# Allegro board RK3588S_Template_LP4XD556P164SD10H2_33X33_2133MHz_H1R0_V10_20220315YWQ.brd (continued)
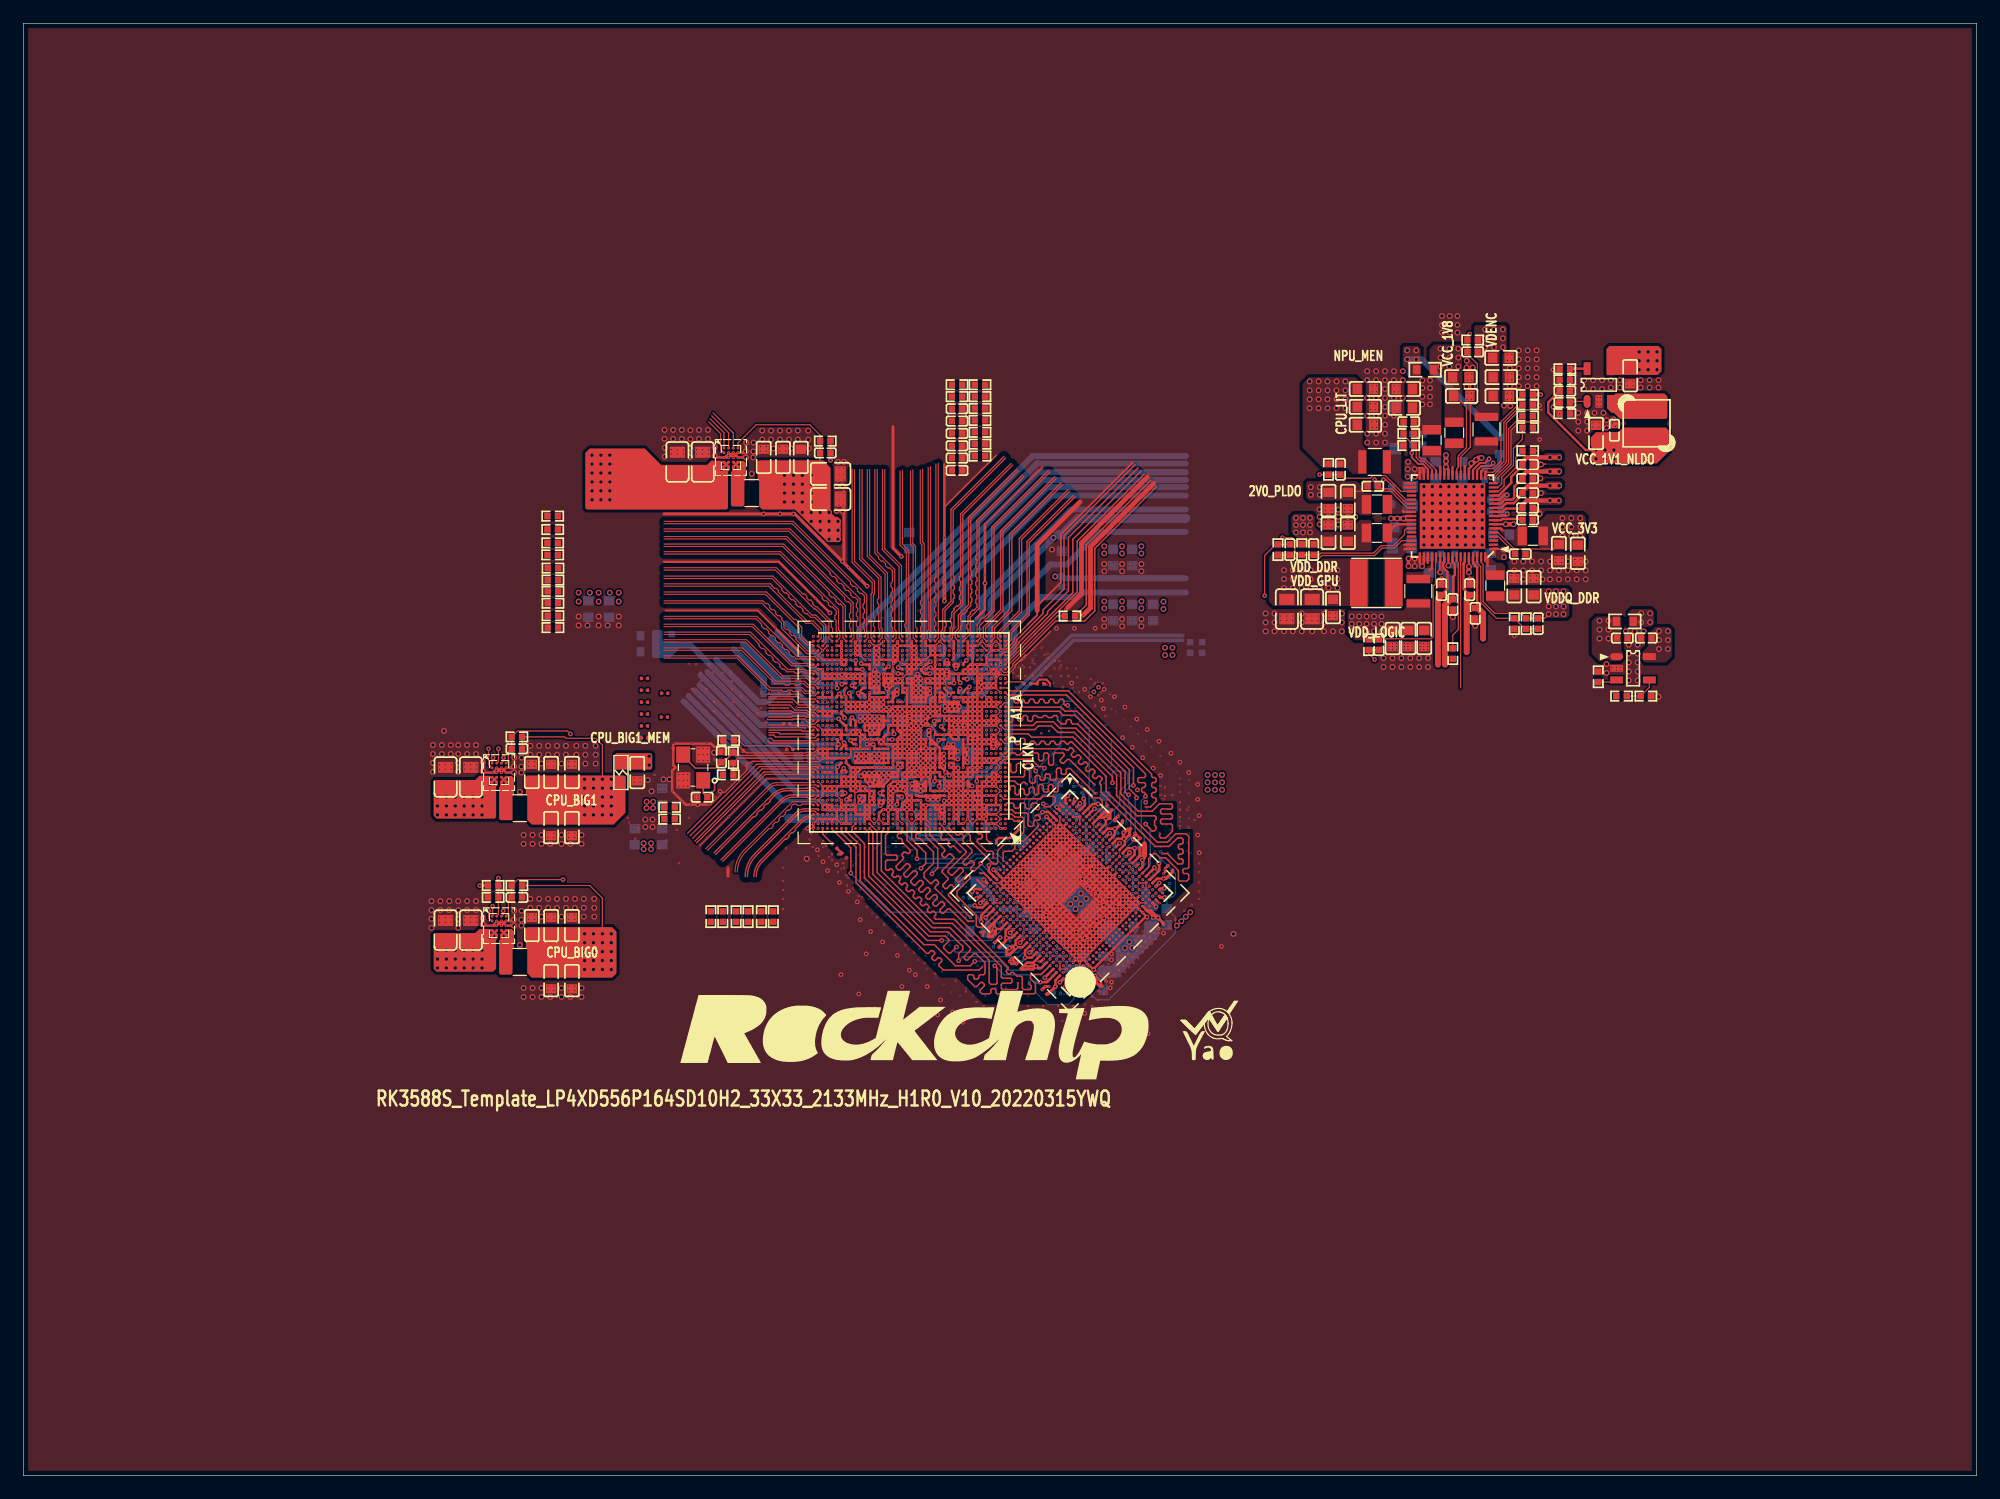
[diagram p0: board, top side]
## Routing (per net, layer and track width the routed paths; a pad name or vN(x,y) marks a point on that pad's centre or on a via; arc(x,y) is an arc through that point) (continued)
VCC1V8_PMU_DDR_S3: length 125.7
  TOP w0.203: U3700.AH1 81.72,50.12 81.27,50.12 v4(81.06,49.91) ; v4(97,52.31) 97.05,52.27 97.05,51.71 96.25,50.92 U3700.A25 ; U3700.AJ5 82.62,48.65 81.83,47.87 v4(81.83,47.34) ; U3700.AJ25 88.28,42.99 87.45,42.16 v4(86.88,42.16) ; v4(91.83,57.38) 91.35,57.38 90.96,57 90.96,56.99 U3700.A5 ; U1000.N37 69.49,60.48 v4(69.57,60.55) 69.89,60.87 U1000.R36 ; U1000.Y37 69.58,62.82 69.58,62.55 v4(69.64,62.48) 69.49,62.33 U1000.V37 ; U1000.V36 69.89,62.17 70.08,62.36 70.08,62.37 70.1,62.4 70.1,62.6 v4(70.12,62.62) 70.12,62.57 70.29,62.4 U1000.V35 ; v4(89.23,58.08) 89.03,57.87 89.03,57.52 U3700.B1
  TOP w0.254: U3700.AH29 89.8,42.04 v4(89.8,41.68) ; v4(97.49,49.39) 97.15,49.39 U3700.B29
  L3-S1 w0.127: v1(87.15,44.69) 86.92,44.46 v2(86.91,44.46) ; v2(94.73,52.28) 94.73,52.28 v1(94.5,52.05)
  L3-S1 w0.152: v1(91.67,54.9) 92.12,55.35 v2(92.13,55.35) ; v1(84.32,47.52) 84.3,47.52 83.85,47.07 v2(83.85,47.07) ; v1(86.01,45.82) 85.7,45.82 85.6,45.93 v2(85.58,45.93) 85.58,45.95 85.45,46.08 v1(85.45,46.39) ; v1(93.34,53.18) 93.34,53.52 93.27,53.59 v2(93.27,53.64) 93.22,53.64 93.11,53.74 v1(92.83,53.74)
  L6-S2 w0.254: 91.96,56.66 91.17,55.86 91.17,55.2 91.43,54.94 91.81,54.94 92.13,55.25 v2(92.13,55.35)
  L6-S2 w0.305: 94.62,54.35 93.85,53.58 93.32,53.58 v2(93.27,53.64) ; v2(85.58,45.93) 85.67,45.83 85.67,45.4 84.84,44.57 84.7,44.57 84.4,44.27 ; v4(91.83,57.38) 91.96,57.25 91.96,56.66
  L6-S2 w0.406: 93.24,57.38 v4(91.83,57.38) 90.67,58.55 89.7,58.55 v4(89.23,58.08) ; 97,53.62 v4(97,52.31) 96.87,52.45 96.39,52.45 96.03,52.08 94.93,52.08 v2(94.73,52.28) ; v4(81.83,47.34) 81.44,47.34 80.64,48.13 80.64,49.49 v4(81.06,49.91) ; 95.26,54.99 94.62,54.35 ; v2(86.91,44.46) 87.03,44.34 87.03,43.03 86.76,42.75 85.05,42.75 84.84,42.55
  L8-S3 w0.203: 93.24,53.77 93.24,53.67 v2(93.27,53.64) ; 93.24,53.77 v3(93.04,53.98) ; 93.24,53.77 93.24,53.97 v3(93.24,53.98) ; v2(85.58,45.93) 85.55,45.95 ; 85.55,45.95 85.35,46.15 v3(85.22,46.15) ; 85.55,45.95 85.22,45.95 v3(85.22,45.95) ; v3(69.77,62.99) 69.75,63.01 69.75,63.18 69,63.93
  L8-S3 w0.254: v3(92.07,54.99) 92.07,55.3 v2(92.13,55.35) ; v2(83.85,47.07) 83.9,47.12 v3(84.25,47.12) ; v3(86.96,44.77) 86.96,44.67 86.91,44.62 v2(86.91,44.46) 86.8,44.35 v3(86.61,44.35) ; v3(94.4,52.21) 94.45,52.21 94.52,52.28 v2(94.73,52.28)
  L8-S3 w0.305: v4(70.12,62.62) 70.12,62.69 69.82,62.99 v3(69.77,62.99)
  L8-S3 w0.508: 69,63.93 62.05,63.93 55.88,70.11
  L9-GND3 w0.102: v3(93.24,53.98) v3(93.04,53.98)
  BOTTOM w0.102: C3778.1 86.49,41.27 87.5,40.26 89.28,40.26 89.74,40.72 C3779.1 90.52,41.2 C3777.1 91.73,40.64 92.71,40.64 98.42,46.36 98.42,47.71 C3734.1 97.69,49.24 97.9,49.45 C3740.1 98.22,49.45 98.42,49.66 98.42,51.48 C3739.1
  BOTTOM w0.152: v3(93.04,53.98) 93.04,53.87 C3738.1 93.24,53.68 v3(93.24,53.98) ; v3(86.61,44.35) 86.61,44.43 C3780.1
  BOTTOM w0.203: 69.57,60.7 69.57,60.73 ; v3(85.22,46.15) 85.37,46.15 C3781.1 85.46,45.95 v3(85.22,45.95) ; v3(69.77,62.99) 70.1,62.66 70.1,62.64 v4(70.12,62.62) ; v3(86.96,44.77) C3780.1 ; v3(94.4,52.21) 94.56,52.37 C3737.1
  BOTTOM w0.254: C3735.1 91.5,57.69 91.81,57.38 v4(91.83,57.38) ; C3778.1 86.85,42.14 v4(86.88,42.16) ; v4(97,52.31) 97.15,52.46 C3739.1 ; v4(81.83,47.34) 81.83,47.36 81.49,47.71 C3782.1 ; C3779.1 89.74,41.62 v4(89.8,41.68) ; v4(89.23,58.08) 89.49,58.34 C3736.1 ; v4(97.49,49.39) 97.55,49.45 C3740.1
  BOTTOM w0.279: C1101.1 69.57,60.7 v4(69.57,60.55) 69.47,60.45 69.3,60.45
  BOTTOM w0.356: C1106.1 v4(69.64,62.48)
  BOTTOM w0.406: C3784.1 80.92,49.46 80.92,49.77 v4(81.06,49.91)
  BOTTOM w0.457: C1106.1 63.76,62.48
  BOTTOM w0.508: 63.76,62.48 65.79,60.45 69.3,60.45 69.57,60.73 ; 63.76,62.48 57.85,68.39 ; 63.76,62.48 63.76,62.48 ; R2210.1 119.47,95.38 v5(119,95.38) v5(118.24,95.38)
  vias: v5(98.55,46.99) v5(98.93,47.37) v5(99.31,47.75) v5(99.69,48.13) v5(118.24,96.14) v5(119,96.14)
VCC_1V1_NLDO_S3: length 13.5
  TOP w0.203: v4(126.78,82.17) 126.75,82.17 126.62,82.05 126.24,82.05 126.18,81.99 U2200.9 ; v4(126.75,83.79) 126.52,83.79 126.12,83.39 U2200.13 ; R2306.1 C2326.1 130.28,91.7 130.28,90.83 133.48,87.63 v5(134.37,87.63)
  BOTTOM w0.508: v4(126.78,82.17) 126.43,82.17 C2264.1 C2257.1 126.63,83.79 v4(126.75,83.79)
  vias: v5(134.37,86.87) v5(135.13,87.63) v5(135.13,86.87) v5(135.89,87.63) v5(135.89,86.87)
VCC_1V8_S0: length 42.8
  TOP w0.203: v4(70.56,66.85) 70.69,66.72 U1000.AJ34 ; C2246.1 122.17,74.94 122.17,76.83 122.3,76.96 122.3,77.85 122.11,78.04 122.11,78.04 122.1,78.05 U2200.60 ; v4(80.01,67.23) 79.89,67.12 U1000.AK11 ; U1000.H31 U1000.G31 71.82,57.7 71.63,57.51 v4(71.48,57.51) 71.42,57.56 v4(71.42,58.01) 71.51,58.1 U1000.H31 ; U1000.G28 73.09,57.36 v4(73.2,57.25) 73.29,57.25 73.49,57.45 U1000.G27 U1000.G28
  TOP w0.508: C2246.1 121.97,74.89 121.46,74.38 121.46,69.29
  L8-S3 w0.203: 69.39,68.02 70.15,68.02 70.36,67.82 70.36,67.06 v4(70.56,66.85)
  L8-S3 w0.254: v3(79.38,71.12) v3(79.38,70.87) 79.38,69.43 79.25,69.31 79.25,68.72 79.38,68.6 79.38,68.2 79.07,67.9 79.07,67.54 79.38,67.23 v4(80.01,67.23)
  L8-S3 w0.508: 69.39,68.02 69.29,68.12 64.94,68.12 v3(64.89,68.07)
  BOTTOM w0.203: 71.9,57.28 C1508.1
  BOTTOM w0.254: v4(71.42,58.01) 71.86,58.01 C1508.1
  BOTTOM w0.279: v4(70.56,66.85) 70.66,66.95 C1906.1
  BOTTOM w0.305: C1302.1 80.13,67.11 v4(80.01,67.23) ; v4(71.48,57.51) 71.42,57.56 v4(71.42,58.01) ; v4(71.48,57.51) 71.36,57.39 C1903.1 71.36,56.44 71.05,56.13 ; v4(71.48,57.51) 71.67,57.51 71.9,57.28 ; C1902.1 72.98,57.25 v4(73.2,57.25)
  BOTTOM w0.508: 61.47,70.99 64.14,68.32 R1927.2 R1909.2 ; R1401.2 78.92,71.57 v3(79.38,71.12) v3(79.38,70.87)
  BOTTOM w0.762: 65.4,56.13 71.05,56.13
  vias: v3(64.64,68.07) v3(64.64,67.82) v3(64.89,67.82)
VCC_1V8_S3: length 23.6
  TOP w0.102: U2200.25 122.45,86 122.6,86.15 122.6,87.14 123.29,87.83 123.29,91.34 122.81,91.82
  TOP w0.305: R2261.1 v4(129.63,92.36)
  L8-S3 w0.305: v5(122.6,94.76) 122.6,94.66 123.15,94.11 124.59,94.11 126.33,92.36 v4(129.63,92.36)
  BOTTOM w0.508: 59.18,69.72 62.79,66.12 63.63,66.12 64.14,66.63 R1928.2 R1908.2
  vias: v5(121.07,96.28) v5(121.07,95.52) v5(121.07,94.76) v5(121.84,96.28) v5(121.84,95.52) v5(121.84,94.76) v5(122.6,96.28) v5(122.6,95.52)
VCC_1V8_S3_PLDO6: length 4.1
  TOP w0.152: U2200.20 124.2,85.9 124.57,86.27 125.32,86.27 v4(125.57,86.52)
  BOTTOM w0.381: R2210.2 126.11,86.19 C2248.1 125.57,86.32 v4(125.57,86.52)
VCC_2V0_PLDO_S3: length 7.6
  TOP w0.102: U2200.41 118.24,82.69 117.22,83.7 117.22,83.72 116.84,84.1 112.94,84.1 112.9,84.14
  TOP w0.152: U2200.59 v5(121.75,77.77)
  BOTTOM w0.508: C2247.1 122.2,77.77 v5(121.75,77.77)
  vias: v5(110,84.45) v5(110,83.8) v5(110.76,84.45) v5(110.76,83.8)
VCC_3V3_S0: length 17.6
  TOP w0.203: U1000.AM33 70.99,67.7 v4(70.8,67.51) 71,67.3 U1000.AL33
  L6-S2 w0.203: 69.65,68.02 70.28,68.02
  L6-S2 w0.254: 68.85,68.82 69.65,68.02 ; 70.28,68.02 v4(70.8,67.51)
  L6-S2 w0.508: 68.85,68.82 62.48,75.18 v2(62.48,80.14)
  BOTTOM w0.279: v4(70.8,67.51) 70.87,67.58 C1907.1
  vias: v5(134.66,73.04) v5(134.66,72.28) v5(134.66,71.52) v5(135.42,73.04) v5(135.42,72.28) v5(135.42,71.52)
VCC_3V3_S3: length 7
  TOP w0.102: C2239.1 130.79,79.17 127.39,79.17 125.97,80.59 U2200.5
  TOP w0.203: R2302.1 v4(38.99,50.42)
  vias: v5(131.49,81.81) v5(131.49,81.04) v5(131.49,80.28) v5(132.25,81.81) v5(132.25,81.04) v5(132.25,80.28) v5(133.01,81.81) v5(133.01,81.04) v5(133.01,80.28) v5(139.74,72.15) v5(139.74,71.39) v5(139.74,70.63) v5(140.5,72.15) v5(140.5,71.39) v5(140.5,70.63)
VCC_5V0_PWREN_H: length 14.4
  L3-S1 w0.076: v1(73.89,70.1) 74.29,70.5 74.29,72.64 74.14,72.8
  L3-S1 w0.102: 74.14,84.23 74.14,72.8
VCC_SYSIN: length 41.2
  TOP w0.102: v5(118.87,77.7) v5(118.87,78.36) 118.39,78.36 118.39,78.36 v5(118.35,78.36) ; v5(118.87,85.34) 119.02,85.49 U2200.34
  TOP w0.203: U2200.34 119.3,86.06 119.25,86.11 ; 59.85,85.6 60.25,86 U2302.E2 59.85,86.59 ; 59.85,85.6 59.85,85 58.99,84.14 ; 59.85,85.6 U2302.E1 ; 119.3,77.9 U2200.52 119,78.49 v5(118.87,78.36) ; 38.63,59.27 39.03,59.67 U2301.D1 U2301.E2 40.44,59.07 40.04,58.67 ; 38.63,59.27 U2301.E1 ; 38.63,59.27 C2302.1 ; 119.51,86.11 119.65,85.96 U2200.33 ; U2302.E1 59.85,86.2 U2302.D2 ; U2302.E1 58.44,86.19 ; 59.85,86.59 58.84,86.59 58.44,86.19 ; 59.85,86.59 U2302.D1 ; 38.63,46.19 C2301.1 ; 38.63,46.19 U2300.E1 ; 38.63,46.19 39.03,46.59 U2300.D1 U2300.E2 40.44,45.99 40.04,45.59 ; U2300.E1 U2300.D2 ; U2300.E1 40.04,45.59 ; U2200.54 120,77.99 ; U2200.64 v5(123.5,77.67) ; v5(39.18,57.21) 40.04,58.07 U2301.E1 ; 58.44,86.19 C2317.1 ; U2200.43 118.12,81.99 v5(117.91,81.78) 118.05,81.64 U2200.44 ; U2200.27 121.75,85.97 v5(121.54,86.18) 121.4,86.04 U2200.28 ; 40.04,45.59 40.04,44.99 v5(39.18,44.13) ; U2301.E1 U2301.D2 ; v5(126.65,81.29) U2200.7 ; 126.04,79.19 U2200.1 125.6,78.69 ; v5(123.7,86.49) 123.7,86.23 123.5,86.04 U2200.22 ; U2200.53 119.65,78
  TOP w0.254: v5(118.35,77.7) v5(118.35,78.36)
  TOP w0.381: v5(121.54,87.19) v5(121.54,86.68) v5(121.54,86.18) ; v5(127.31,81.29) v5(126.65,81.29) ; v5(117.91,81.78) v5(117.37,81.78) v5(116.84,81.78)
  TOP w0.406: v5(123.5,77.17) v5(123.5,77.67) ; v5(123.7,86.49) 123.8,86.49 v5(124.11,86.79) 124.18,86.79 124.33,86.95 v5(124.59,86.95)
  BOTTOM w0.104: v5(118.87,85.34) v5(118.87,86)
  vias: v5(35.37,57.98) v5(35.37,57.21) v5(35.37,56.45) v5(35.37,44.89) v5(35.37,44.13) v5(35.37,43.37) v5(36.13,57.98) v5(36.13,57.21) v5(36.13,56.45) v5(36.13,44.89) v5(36.13,44.13) v5(36.13,43.37) v5(36.9,57.98) v5(36.9,57.21) v5(36.9,56.45) v5(36.9,44.89) v5(36.9,44.13) v5(36.9,43.37) v5(37.66,57.98) v5(37.66,57.21) v5(37.66,56.45) v5(37.66,44.89) v5(37.66,44.13) v5(37.66,43.37) v5(38.42,57.98) v5(38.42,57.21) v5(38.42,56.45) v5(38.42,44.89) v5(38.42,44.13) v5(38.42,43.37) v5(39.18,57.98) v5(39.18,56.45) v5(39.18,44.89) v5(39.18,43.37) v5(48.58,87.19) v5(48.58,86.43) v5(48.58,85.66) v5(48.58,84.9) v5(48.58,84.14) v5(48.58,83.38) v5(49.34,87.19) v5(49.34,86.43) v5(49.34,85.66) v5(49.34,84.9) v5(49.34,84.14) v5(49.34,83.38) v5(50.1,87.19) v5(50.1,86.43) v5(50.1,85.66) v5(50.1,84.9) v5(50.1,84.14) v5(50.1,83.38) v5(118.3,86.61) v5(118.27,86) v5(118.27,85.34) v5(119.51,77.7) v5(126.49,79.12) v5(126.49,78.47) v5(138.05,96.01) v5(138.05,95.25) v5(138.05,94.49) v5(138.81,96.01) v5(138.81,95.25) v5(138.81,94.49) v5(139.57,96.01) v5(139.57,95.25) v5(139.57,94.49)
VCCA: length 3.3
  TOP w0.152: U2200.21 123.85,85.93 124.44,86.52 124.87,86.52 v4(125.22,86.88)
  BOTTOM w0.381: C2254.1 125.08,86.22 125.08,86.72 125.22,86.86 v4(125.22,86.88)
VCCA_1V8_S0: length 278.9
  TOP w0.178: v4(79.08,66.69) 79.13,66.69 79.35,66.9 U1000.AK12
  TOP w0.203: U1000.N35 70.29,60.19 70.08,60.39 ; U1000.AP23 74.95,68.5 74.92,68.53 v4(74.73,68.53) ; 70.08,60.39 69.89,60.2 U1000.N36 ; 70.08,60.39 v4(70.08,60.44) ; v4(69.93,67.61) 69.95,67.61 70.04,67.7 U1000.AM35 ; U2200.58 121.4,78.05 121.39,78.04 121.39,78.04 121.3,77.95 121.3,77.58 121.67,77.21 121.67,75.75 C2249.1 ; v4(71.58,69.39) 71.67,69.3 U1000.AT30 U1000.AR30 ; U1000.AR23 75.07,68.9 75.01,68.96 74.83,68.96 v4(74.74,69.05) ; U1000.AB25 74.29,63.53 74.4,63.42 v4(74.4,63.37) ; U1000.AL14 78.69,67.23 79.08,66.84 v4(79.08,66.69)
  TOP w0.229: U1000.H34 70.67,58.1 v4(70.33,57.76) 70.39,57.7 U1000.G34
  TOP w0.508: 120.85,69.29 120.85,74.94 C2249.1
  L6-S2 w0.152: 78.66,67.79 78.77,67.79 79.32,68.35 79.32,68.64 79.2,68.76 79.2,69.16 79.38,69.34 79.38,70.71
  L6-S2 w0.254: 79.38,70.71 79.33,70.71 78.46,69.85 78.46,67.99 78.66,67.79
  L6-S2 w0.457: v4(79.08,66.69) 78.67,67.11 78.67,67.74 78.66,67.74 78.66,67.79 ; v5(88.15,76.83) 81.98,76.83 81.38,76.23 81.38,75.54 80.21,74.37 80.21,71.45 79.48,70.71 79.38,70.71
  L8-S3 w0.191: 72.06,63.25 71.04,64.27
  L8-S3 w0.203: v4(74.4,63.37) 74.37,63.35 73.89,63.35 73.79,63.25 72.42,63.25 72.06,63.25 ; 71.04,64.27 69.34,64.27 69.06,64.54
  L8-S3 w0.254: 75.17,69.71 75.17,68.87 74.82,68.53 v4(74.73,68.53)
  L8-S3 w0.305: 75.17,69.71 75.19,69.73 75.19,71.82 74.37,72.64
  L8-S3 w0.508: 74.37,72.64 72.39,72.64 63.8,81.23 63.8,85.77 64.52,86.49 67.56,86.49 68.71,87.63 108.15,87.63 ; 69.06,64.54 v3(67.03,64.54) v3(66.78,64.54)
  BOTTOM w0.254: C1104.1 74.4,63.37 v4(74.4,63.37) ; v4(74.74,69.05) 74.74,69.14 75.07,69.47 75.35,69.47 75.61,69.72 C1403.1 C1404.1 75.61,70.87 ; 68.93,68.2 69.09,68.2 ; v4(70.08,60.44) 70.08,60.2
  BOTTOM w0.279: C1600.1 70.15,67.84 v4(69.93,67.61) 69.7,67.84 C1601.1 69.61,67.88 69.41,67.88 69.09,68.2 ; 71.43,71.43 C1610.1 C1609.1 71.58,70.12 v4(71.58,69.39) ; C1506.1 74.4,68.73 74.6,68.53 v4(74.73,68.53) ; 70.08,60.2 70.08,59.84 C1100.1 69.72,59.79 ; v4(70.33,57.76) 70.64,58.07 C1802.1
  BOTTOM w0.305: 64.9,57.66 68.33,57.66 68.83,57.15 70.08,57.15 C1803.1 70.34,57.75 v4(70.33,57.76)
  BOTTOM w0.508: 58.43,68.67 62.97,64.13 C1114.1 ; 69.72,59.79 65.52,59.79 57.76,67.54 ; 68.93,68.2 68.32,68.2 64.43,72.09 ; 75.61,70.87 75.61,74.59 86.74,85.72 99.31,85.72 ; 56.39,66.17 64.9,57.66 ; R1402.2 77.6,74.55 87.5,84.45 99.31,84.45 ; v5(88.15,76.83) C1716.1 88.89,76.67 99.31,76.67 ; 99.31,87.12 86.23,87.12 71.43,72.31 71.43,71.43
  vias: v3(66.55,64.54)
VCCA_3V3_S0: length 35.5
  TOP w0.203: U1000.AT10 80.29,69.37 v4(80.57,69.65) ; C2251.1 123.05,75.76 123.05,77.85 123.05,77.86 123.05,77.95 123.15,78.05 U2200.63
  TOP w0.508: 123.32,70.36 123.32,74.99 C2251.1
  BOTTOM w0.254: v4(80.57,69.65) 80.79,69.87 C1405.1
  BOTTOM w0.406: C1405.1 81.1,69.9 81.1,70.23
  BOTTOM w0.508: 99.31,82.55 89.53,82.55 81.91,74.94 81.91,73.53 81.1,72.72 81.1,70.23
  vias: v5(138.22,73.68) v5(138.22,72.92) v5(138.98,73.68) v5(138.98,72.92)
VCCIO5: length 15.6
  TOP w0.203: U1000.AC33 71.09,64.47 v4(70.79,64.77) 70.69,64.67 U1000.AC34
  L8-S3 w0.254: v4(70.79,64.77) 70.76,64.77 70.38,65.16 68.79,65.16
  L8-S3 w0.508: v3(63.24,67.18) 65.27,65.16 68.79,65.16
  BOTTOM w0.279: C1905.1 70.56,64.54 v4(70.79,64.77)
  BOTTOM w0.508: R1928.1 v3(63.24,67.18) v3(63.24,67.44) R1927.1 63.24,68.08 60.71,70.61
  vias: v3(62.99,67.44) v3(62.99,67.18)
VCCIO5_1V8: length 6.6
  TOP w0.203: U1000.AF36 69.89,65.11 70.15,64.85 v4(70.15,64.73)
  BOTTOM w0.203: v4(70.15,64.73) 70.15,64.77 69.85,65.07 69.81,65.07 69.73,65.15 C1904.1
  BOTTOM w0.254: C1904.1 69.34,65.15 68.96,65.53 68.58,65.53
  BOTTOM w0.508: R1909.1 R1908.1 67.32,65.66 67.72,65.66 67.85,65.53 68.58,65.53
VCCIO_FLASH: length 18.2
  TOP w0.203: v4(69.65,64.67) 69.65,64.62 70.17,64.1 U1000.AC35 U1000.AB35
  BOTTOM w0.254: v4(69.65,64.67) 68.85,64.67 C1300.1
  BOTTOM w0.508: C1300.1 67.74,64.79 67.48,65.05 62.91,65.05 56.99,70.97 C4003.1
VCCIO_SD_S0: length 33.2
  TOP w0.178: v4(80.82,67.39) 80.7,67.26 80.57,67.26 80.39,67.08 80.39,67 U1000.AK10
  TOP w0.203: C2253.1 124.21,74.29 124.21,77.6 124.08,77.72 124.08,77.73 123.85,77.96 U2200.65
  TOP w0.508: 124.71,71.5 124.71,73.66 124.25,74.13 C2253.1
  BOTTOM w0.254: v4(80.82,67.39) 80.82,67.36 80.74,67.27 C1301.1
  BOTTOM w0.305: C1301.1 81.04,66.79 81.15,66.67
  BOTTOM w0.406: 83.74,69.18 82.42,67.86 82.42,67.2 81.9,66.67 81.15,66.67
  BOTTOM w0.457: 84.67,70.74 84.67,70.51 83.74,69.58 83.74,69.18
  BOTTOM w0.508: 99.31,75.45 90.43,75.45 90.04,75.06 86.99,75.06 84.67,72.73 84.67,70.74
VDD2_DDR_S3: length 89.2
  TOP w0.102: R2218.1 119.25,88.59 119.25,87.03 119.41,86.88 119.74,86.88 120.7,85.92 U2200.30
  TOP w0.203: U3700.AJ2 81.63,49.36 81.48,49.36 v4(81.42,49.31) ; U3700.A2 89.83,57.56 89.83,57.74 v4(89.88,57.78) ; U3700.A6 v4(91.51,56.98) ; U3700.F2 U3700.F1 87.58,56.7 87.09,56.7 v4(87.07,56.68) ; U3700.AJ6 82.8,48.27 v4(82.22,47.68) ; U3700.AJ16 85.34,45.15 84.83,45.15 84.81,45.16 v4(84.79,45.16) 84.77,45.18 84.77,45.72 85,45.94 85,45.94 U3700.AJ14 ; U3700.F28 U3700.F29 96.49,47.8 96.49,47.74 96.54,47.69 v4(96.54,47.67) ; v4(96.63,51.95) 96.63,51.92 96.43,51.72 U3700.A24 ; U3700.A10 92.48,55.69 v4(92.48,56.14) ; U3700.AD28 U3700.AD29 91.4,42.7 v4(91.52,42.7) 91.54,42.7 92.07,42.17 92.07,41.9 C3772.1 ; 95.63,53.91 95.37,53.65 95.37,52.92 ; 95.63,53.91 C3725.1 ; 95.63,53.91 95.63,52.96 ; v4(82.49,52.15) 82.49,51.61 U3700.AD1 U3700.AD2 ; C3725.1 95.9,53.95 95.9,52.96 ; C3725.1 95.78,53.07 95.9,52.96 ; U3700.A22 95.37,51.76 95.61,52 v4(95.61,52.59) 95.81,52.79 95.81,52.87 95.9,52.96 ; U3700.AJ22 87.43,43.84 86.96,43.37 86.67,43.37 v4(86.53,43.51) ; v4(86.53,43.51) 86.27,43.76 86.27,43.83 ; v4(86.53,43.51) 85.43,43.51 ; v4(86.53,43.51) 86.27,43.26 85.32,43.26 C3774.1 85.43,43.51 ; 86.27,43.83 86.63,44.18 86.63,44.18 U3700.AJ20 ; 86.27,43.83 85.74,43.83 85.43,43.51 ; 95.63,52.96 95.41,52.96 95.37,52.92 ; 95.63,52.96 95.9,52.96 ; U3700.A8 91.89,56.23 92.39,56.23 v4(92.48,56.14) ; U3700.AJ24 v4(87.26,42.55) ; 95.37,52.92 94.78,52.33 U3700.A20 ; C3775.1 82.45,46.22 v4(82.96,46.74) 82.96,47.3 U3700.AJ8 ; v4(92.48,56.14) 92.48,56.35 92.81,56.68 ; U3700.A16 94.11,53.92 94.11,54.3 94.03,54.38 v4(94.03,54.41) 94.01,54.42 93.47,54.42 93.25,54.2 93.25,54.19 U3700.A14 ; U3700.A28 97.15,50.18 v4(97.48,50.18) ; U3700.AJ10 83.5,46.71 83.08,46.71 83.05,46.74 ; U3700.AJ28 89.02,42.04 v4(89.02,41.74)
  TOP w0.254: v4(82.96,46.74) 82.97,46.74 83.05,46.74 83.05,46.35 82.74,46.04 82.49,46.04 C3775.1 82.49,46.1 82.49,46.82 82.96,47.3 ; 94.55,55.24 94.36,55.24 94.07,54.94 v4(94.01,54.94) 93.98,54.92 93.98,54.45 v4(94.03,54.41) 94.16,54.41 94.49,54.74 94.49,55.17 94.55,55.24 ; 94.55,55.24 C3724.1 ; 96.89,47.69 96.92,47.69 v4(96.94,47.67) 96.94,47.64 97.39,47.19 C3726.1 ; 96.89,47.69 96.33,48.26 96.02,48.26 ; 96.89,47.69 96.56,47.69 v4(96.54,47.67) ; 91.89,56.23 92.37,56.7 92.83,56.7 92.84,56.71 ; 92.84,56.71 92.84,56.14 v4(92.48,56.14) ; 92.84,56.71 C3723.1 ; v4(91.52,42.3) 91.5,42.3 90.93,42.86 90.93,43.17 ; v4(91.52,42.3) v4(91.52,42.7) ; v4(91.52,42.3) 91.52,42.27 91.95,41.84 C3772.1 ; v4(84.79,45.16) 84.32,45.16 v4(84.24,45.08) 84.01,44.85 C3771.1 84.27,44.52 84.79,45.04 v4(84.79,45.16)
  L3-S1 w0.152: v1(91.11,54.88) v2(90.54,54.88) v1(90.54,55.44) ; v1(95.06,50.92) v2(94.5,50.92) v1(94.5,51.48) ; v1(84.32,48.09) v2(84.32,48.65) v1(83.75,48.65) ; v1(87.71,44.69) v2(88.28,44.69) v1(88.28,44.13)
  L8-S3 w0.102: v3(90.82,54.99) 90.66,54.99 90.66,54.99 v2(90.54,54.88) 90.68,54.74 v3(90.82,54.74) ; v3(84.45,48.38) 84.45,48.51 v2(84.32,48.65) 84.2,48.54 v3(84.2,48.38)
  L8-S3 w0.203: v2(88.28,44.69) v3(88.28,44.32) ; v2(94.5,50.92) 94.74,50.92 v3(94.82,51)
  L8-S3 w0.305: v4(82.49,52.15) 82.5,52.16 v3(82.5,55.09) v3(82.5,55.32)
  BOTTOM w0.102: v4(91.51,56.98) 92.1,56.98 C3719.1 92.48,56.59 v4(92.48,56.14) ; C3776.1 84.14,48.44 v3(84.2,48.38) ; v4(96.54,47.67) 96.51,47.69 96.49,47.69 96.24,47.45 C3729.1 96.24,46.33 95.88,45.97 93.58,45.97 93.58,43.92 92.62,42.97 C3762.1 92.01,42.7 v4(91.52,42.7) ; v4(82.22,47.68) 82.47,47.43 ; R3707.2 84.84,48.38 v3(84.45,48.38) 84.39,48.44 C3768.1
  BOTTOM w0.152: v4(82.96,46.74) 82.78,46.74 82.56,46.52 C3763.1 82.47,46.71 82.47,47.43
  BOTTOM w0.203: v3(94.82,51) R3716.1
  BOTTOM w0.254: C3732.1 97.4,50.18 v4(97.48,50.18) ; v3(90.82,54.99) v3(90.82,54.74) 90.82,54.36 R3706.1 ; v4(94.01,54.94) 94.03,54.92 ; 94.03,54.92 94.03,55.04 C3730.1 ; 94.03,54.92 v4(94.03,54.41) ; C3769.1 86.7,43.33 v4(86.53,43.51) ; C3770.1 87.5,42.31 v4(87.26,42.55) ; C3764.1 84.13,45.19 v4(84.24,45.08) 84.32,45.16 v4(84.79,45.16) ; v4(87.07,56.68) 86.83,56.44 C3720.1 ; C3766.1 82.66,52.32 v4(82.49,52.15) ; C3728.1 96.89,51.69 96.89,51.69 v4(96.63,51.95) ; C3727.1 95.61,52.43 v4(95.61,52.59) ; v4(89.88,57.78) 89.69,57.59 C3731.1 ; C3721.1 C3722.1 ; C3765.1 81.65,49.53 v4(81.42,49.31) ; v4(89.02,41.74) 89.02,41.83 C3767.1 ; R3717.2 C3773.1
  vias: v5(94.11,45.09) v5(94.49,45.59) v5(94.74,45.09) v5(101.17,59.87) v5(101.17,59.23) v5(101.17,58.6) v5(101.81,59.87) v5(101.81,59.23) v5(101.81,58.6) v5(102.41,59.87) v5(102.41,59.23) v5(102.41,58.6) v5(119.52,93.58) v5(119.52,92.93) v5(119.52,92.18) v5(119.52,91.53) v5(120.18,93.58) v5(120.18,92.93) v5(120.18,92.18) v5(120.18,91.53)
VDD_0V75_S3: length 25.1
  TOP w0.203: C2255.1 128.07,86.29 127.12,85.33 127.12,84.81 126.04,83.74 U2200.14 ; U1000.AJ36 69.89,66.58 69.72,66.75 v4(69.72,66.8) 69.49,66.57 U1000.AJ37
  TOP w0.381: v5(131.21,87) v5(130.43,87) 128.45,87 128.07,86.61 C2255.1
  L8-S3 w0.279: v4(69.72,66.8) 69.68,66.84 69.03,66.84
  L8-S3 w0.305: 68.61,66.42 69.03,66.84
  L8-S3 w0.508: 68.61,66.42 65.15,66.42 57.57,74
  BOTTOM w0.254: 69.27,66.34 v4(69.72,66.8) 69.93,67.01
  BOTTOM w0.279: 69.93,67.01 C1105.1 ; C1125.1 69.27,66.34
VDD_CPU_BIG0_S0: length 90
  TOP w0.102: v4(46.1,50.93) 42.22,50.93 R2300.2 C2306.2 41.43,49.12 41.43,47.98 U2300.A4 ; v5(49.47,46.29) 49.47,49.34 48.39,50.42 R2300.1 C2306.1
  TOP w0.203: 72.74,59.7 U1000.M29 ; 72.74,59.7 73.06,60.01 ; 72.74,59.7 U1000.M28 ; U1000.M29 72.69,59.12 ; U1000.M29 U1000.M30 ; U1000.M29 72.69,59.7 v4(72.69,60.05) ; v4(72.35,59.09) 72.49,59.23 v4(72.8,59.23) ; v4(72.35,59.09) 72.29,59.03 ; v4(72.35,59.09) 72.23,59.09 71.93,59.39 71.93,59.7 ; 73.93,60.06 73.89,60.1 ; 73.93,60.06 73.54,60.06 v4(73.53,60.05) ; 73.93,60.06 v4(73.95,60.06) 73.9,60.01 v4(73.9,59.64) ; 73.89,60.1 v1(74.7,60.1) 74.73,60.13 v4(74.73,60.53) ; 73.89,60.1 U1000.N25 ; v4(73.46,59.64) 73.53,59.72 v4(73.53,60.05) ; v4(73.46,59.64) 73.15,59.64 U1000.M28 ; v4(73.46,59.64) v4(73.9,59.64) ; v4(73.46,59.64) 73.46,59.43 73.25,59.23 73.17,59.23 ; v4(72.27,60.04) 72.29,60.01 U1000.M30 ; v4(72.27,60.04) 72.28,60.05 v4(72.69,60.05) ; v4(72.27,60.04) 71.93,59.7 ; v4(72.27,60.04) v4(71.86,60.04) ; 72.69,59.12 v4(72.8,59.23) ; 72.69,59.12 U1000.K29 ; v4(72.8,59.23) 73.09,58.94 ; v4(72.8,59.23) 73.17,59.23 ; v4(71.86,60.04) 71.82,60.04 v4(71.55,59.77) 71.62,59.7 71.89,59.7 ; v4(71.86,60.04) 71.89,60.01 71.89,59.7 ; 71.89,59.7 71.93,59.7 ; v4(74.73,60.53) 74.75,60.5 U1000.P23 ; v4(74.73,60.53) 74.69,60.56 U1000.R24 U1000.R23 U1000.P23 ; U1000.K29 U1000.K30 72.29,59.03 ; U1000.K29 U1000.K28 ; 72.29,59.03 U1000.M30 ; U1000.P23 75.09,60.5 v1(75.06,60.5) ; v4(73.9,59.64) 74.04,59.64 74.1,59.7 U1000.M25 ; v4(73.9,59.64) 73.9,59.42 73.49,59.01 U1000.K27 ; v4(73.13,60.05) 73.09,60.01 73.06,60.01 ; v4(73.13,60.05) v4(73.53,60.05) ; v4(73.13,60.05) v4(72.69,60.05) ; 71.93,59.7 U1000.M30 ; 73.09,58.94 U1000.K28 ; 73.09,58.94 U1000.M28 ; U1000.K28 U1000.K27 ; 73.06,60.01 73.09,59.98 U1000.M28 ; U1000.K27 73.17,59.23 ; U1000.M25 U1000.N25 ; U1000.M25 U1000.M24 U1000.N24 U1000.N25
  L2-GND1 w0.254: v1(75.06,60.5) 74.75,60.5 v4(74.73,60.53) 74.73,60.13 v1(74.7,60.1)
  L2-GND1 w0.305: v4(73.53,60.05) 73.46,59.97 v4(73.46,59.64) v4(73.9,59.64) 73.95,59.69 v4(73.95,60.06) 73.94,60.05 v4(73.53,60.05) ; v4(73.53,60.05) v4(73.13,60.05) v4(72.69,60.05) 72.69,60.04 v4(72.27,60.04) v4(71.86,60.04) 71.82,60.04 v4(71.55,59.77)
  L3-S1 w0.203: v1(74.7,60.1) 74.7,60.5 v4(74.73,60.53) 75.03,60.53 v1(75.06,60.5) 75.06,60.17 v2(75.03,60.15) 74.98,60.1 v1(74.7,60.1)
  L3-S1 w0.305: v4(73.53,60.05) v4(73.13,60.05) v4(72.69,60.05) 72.28,60.05 v4(72.27,60.04) v4(71.86,60.04) 71.59,59.77 v4(71.55,59.77) ; v4(73.53,60.05) 73.54,60.06 v4(73.95,60.06) ; v4(73.53,60.05) 73.53,59.72 v4(73.46,59.64) v4(73.9,59.64) ; v4(72.8,59.23) 72.67,59.09 v4(72.35,59.09)
  L5-POWER2 w0.102: v4(73.95,60.06) 73.93,60.06 73.91,60.07 73.56,60.07 v4(73.53,60.05) ; 69.47,59.82 69.06,60.22 64.19,60.22 60.94,56.98 56.65,56.98 54.12,54.45 49.27,54.45 46.1,51.28 v4(46.1,50.93)
  L6-S2 w0.203: v4(74.73,60.53) 74.26,60.06 v4(73.95,60.06)
  L8-S3 w0.305: v4(74.73,60.53) 75.03,60.22 v2(75.03,60.15) ; v4(73.53,60.05) 73.46,59.97 v4(73.46,59.64) v4(73.9,59.64) 73.95,59.69 v4(73.95,60.06) 73.93,60.04 v4(72.27,60.04) v4(71.86,60.04) 71.59,59.77 v4(71.55,59.77)
  L9-GND3 w0.305: v4(73.53,60.05) 73.46,59.97 v4(73.46,59.64) v4(73.9,59.64) 73.95,59.69 v4(73.95,60.06) 73.93,60.04 v4(72.27,60.04) v4(71.86,60.04) 71.59,59.77 v4(71.55,59.77) ; v4(72.35,59.09) 72.67,59.09 v4(72.8,59.23)
  BOTTOM w0.102: 71.88,59.71 72.36,59.71 v4(72.69,60.05)
  BOTTOM w0.203: 74.59,59.99 74.73,60.14 v4(74.73,60.53)
  BOTTOM w0.305: v4(73.95,60.06) 73.98,60.03 74,60.03 74.04,59.99 74.46,59.99
  vias: v5(47.94,46.29) v5(47.94,45.53) v5(47.94,44.77) v5(47.94,44.01) v5(47.94,43.24) v5(48.71,46.29) v5(48.71,45.53) v5(48.71,44.77) v5(48.71,44.01) v5(48.71,43.24) v5(49.47,45.53) v5(49.47,44.77) v5(49.47,44.01) v5(49.47,43.24) v5(50.23,46.29) v5(50.23,45.53) v5(50.23,44.77) v5(50.23,44.01) v5(50.23,43.24) v5(53,54.03) v5(53,53.52) v5(53.63,54.03) v5(53.63,53.52)
VDD_CPU_BIG1_MEM_S0: length 3.6
  TOP w0.203: U1000.V26 U1000.V27 U1000.V28 U1000.V29 72.69,62.39 v4(72.62,62.46) 72.58,62.5 v4(72.09,62.5)
  L2-GND1 w0.305: v4(72.09,62.5) 72.58,62.5 v4(72.62,62.46)
  L3-S1 w0.305: v4(72.62,62.46) 72.58,62.5 v4(72.09,62.5)
  L8-S3 w0.203: v3(59.56,61.21) v2(59.94,61.21)
  vias: v5(53.47,61.47) v5(53.47,60.71)
VDD_CPU_BIG1_S0: length 89.4
  TOP w0.102: U2301.A4 41.43,61.06 41.43,61.82 C2310.2 R2301.2 42.22,63.63 46.48,63.63 v4(46.74,63.37) ; C2310.1 42.61,63.12 46.23,63.12 46.35,62.99 48.89,62.99 49.47,62.42 v5(49.47,59.5)
  TOP w0.203: U1000.R31 U1000.R32 ; U1000.R31 71.98,60.99 v4(71.98,61.26) ; U1000.R31 U1000.R30 ; U1000.R32 71.58,60.99 v4(71.58,61.26) ; U1000.R32 U1000.R33 ; 71.2,61.26 71.11,61.26 71.07,61.23 ; 71.2,61.26 71.2,61.67 ; 71.2,61.26 v4(71.58,61.26) ; 71.2,61.26 71.2,61 U1000.R33 ; 71.07,61.23 71.07,61.18 71.09,61.15 U1000.R33 ; 71.07,61.23 71.07,61.23 71.07,61.52 71.17,61.62 71.17,61.64 71.2,61.67 ; U1000.R29 72.69,60.9 v4(72.69,61.26) ; U1000.R29 U1000.R30 ; U1000.R29 U1000.R28 ; v4(73.13,61.67) 73.13,61.67 73.16,61.7 73.48,61.7 ; v4(73.13,61.67) 73.13,61.29 ; v4(73.13,61.67) v4(72.69,61.67) ; 73.48,61.3 73.49,61.29 U1000.R27 ; 73.48,61.3 73.14,61.3 73.13,61.29 ; 73.48,61.3 73.48,61.7 ; 73.48,61.3 U1000.T26 ; v4(71.98,61.26) 71.58,61.26 v4(71.58,61.26) ; v4(71.98,61.26) 71.99,61.26 ; U1000.R30 72.34,60.95 72.34,61.26 ; 72.34,61.26 71.99,61.26 71.99,61.26 ; 72.34,61.26 v4(72.69,61.26) ; 72.34,61.26 72.34,61.66 ; v4(71.99,61.66) 71.99,61.26 ; v4(71.99,61.66) 71.59,61.66 v4(71.58,61.67) ; v4(71.99,61.66) 72.34,61.66 ; v4(72.69,61.67) v4(72.69,61.26) ; v4(72.69,61.67) 72.69,61.66 72.34,61.66 ; v4(72.69,61.26) v4(73.1,61.26) ; 71.2,61.67 v4(71.58,61.67) ; v4(71.58,61.26) 71.58,61.27 v4(71.58,61.67) ; 73.13,61.29 v4(73.1,61.26) ; U1000.R27 U1000.R26 U1000.T26 ; U1000.R27 U1000.R28 ; v4(73.1,61.26) 73.1,60.91 U1000.R28 ; 73.48,61.7 U1000.U26 U1000.T26